# KiCad board SparkFun_GNSS_ZED-X20P_panelized.kicad_pcb (continued)
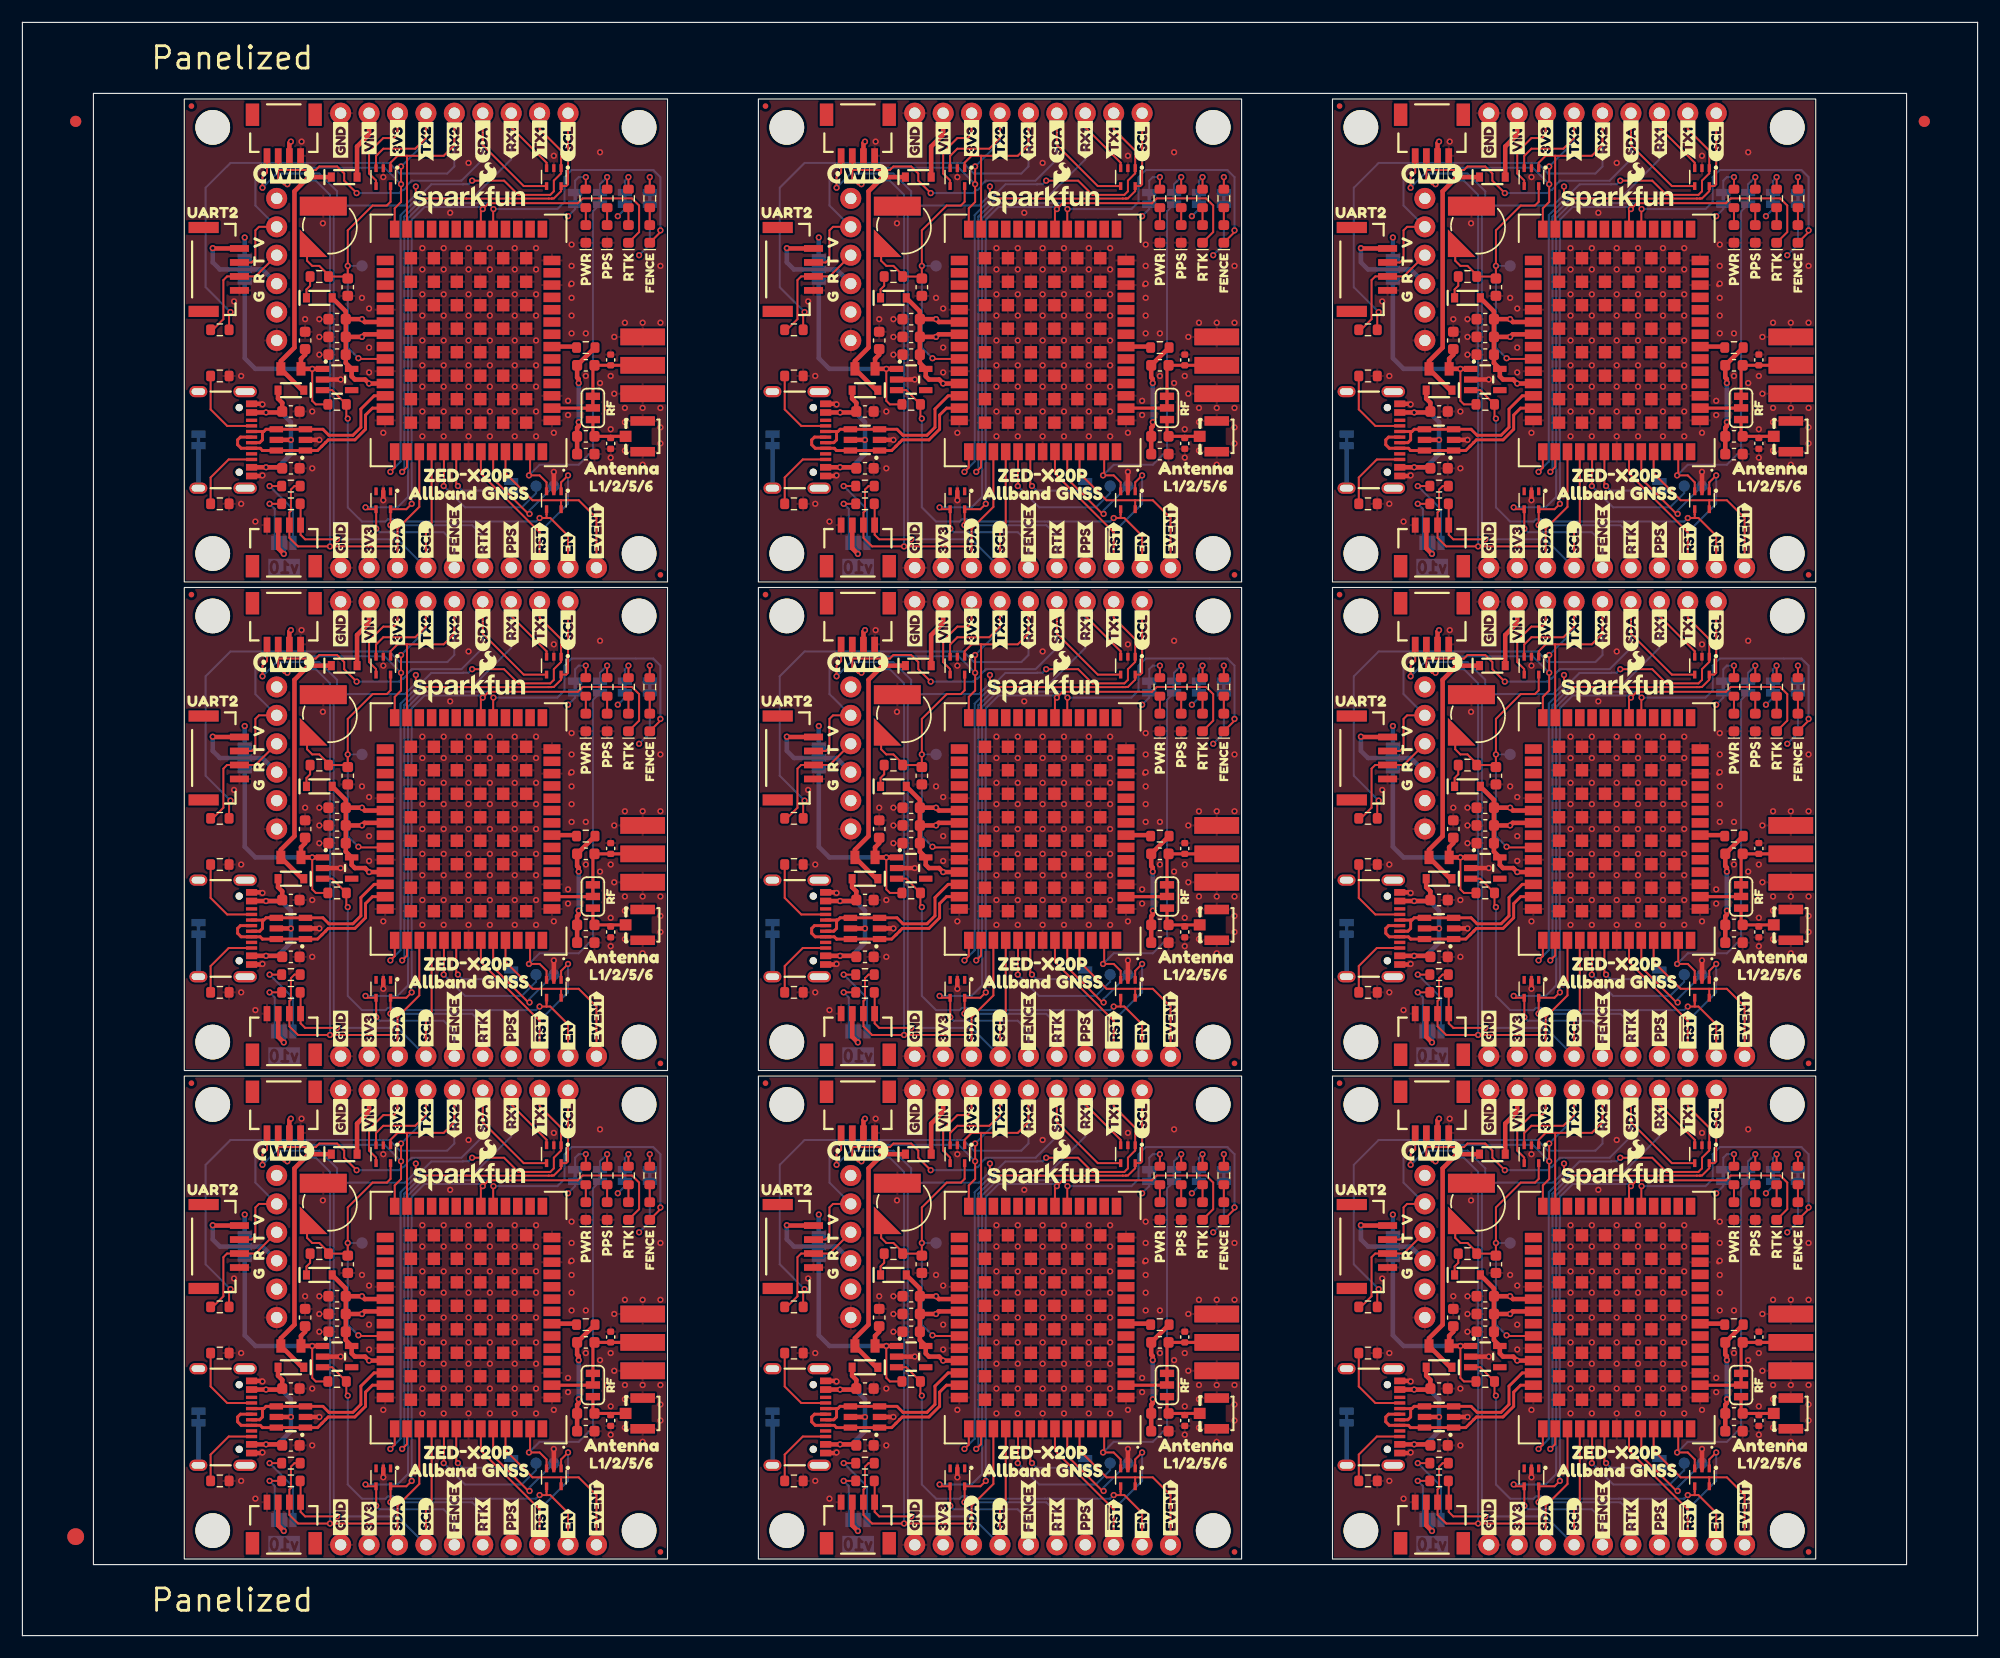
[diagram p0: board, top side]
## Routing (per net, layer and track width the routed paths; a pad name or vN(x,y) marks a point on that pad's centre or on a via; arc(x,y) is an arc through that point) (continued)
PPS: length 383.6
  Top w0.178: D12#2.3 46.84,15.76 46.22,16.38 v1(45.27,16.38) 45.37,16.48 U5.53 ; U5#9.53 147.97,16.48 v1(147.87,16.38) 148.82,16.38 149.44,15.76 D12#6.3 ; U5#2.53 45.37,103.84 v1(45.27,103.73) 46.22,103.73 46.84,103.12 D12#3.3 ; U5#7.53 147.97,60.16 v1(147.87,60.06) 148.82,60.06 149.44,59.44 D12#5.3 ; D12#8.3 149.44,103.12 148.82,103.73 v1(147.87,103.73) 147.97,103.84 U5#6.53 ; D12#7.3 98.14,15.76 97.52,16.38 v1(96.57,16.38) 96.67,16.48 U5#5.53 ; D12.3 98.14,103.12 97.52,103.73 v1(96.57,103.73) 96.67,103.84 U5#8.53 ; U5#3.53 96.67,60.16 v1(96.57,60.06) 97.52,60.06 98.14,59.44 D12#9.3 ; U5#4.53 45.37,60.16 v1(45.27,60.06) 46.22,60.06 46.84,59.44 D12#4.3
  L3.Cu w0.178: v1(45.27,16.38) 43.68,14.79 J11#4.3 ; v1(96.57,60.06) 94.98,58.47 94.98,51.8 ; J11#7.3 43.68,102.15 v1(45.27,103.73) ; 94.98,8.12 94.98,14.79 v1(96.57,16.38) ; v1(147.87,60.06) 146.28,58.47 J11#3.3 ; v1(96.57,103.73) 94.98,102.15 94.98,95.48 ; J11.3 146.28,14.79 v1(147.87,16.38) ; v1(45.27,60.06) 43.68,58.47 J11#5.3 ; J11#2.3 146.28,102.15 v1(147.87,103.73)
  Bottom w0.178: v1(147.87,103.73) 148.82,104.69 152.31,104.69 153.58,105.96 153.58,127.34 JP3#6.2 ; JP3#7.2 153.58,83.66 153.58,62.28 152.31,61.01 148.82,61.01 v1(147.87,60.06) ; v1(147.87,16.38) 148.82,17.33 152.31,17.33 153.58,18.6 153.58,39.98 JP3#2.2 ; v1(45.27,103.73) 46.22,104.69 49.71,104.69 50.98,105.96 50.98,127.34 JP3#9.2 ; JP3.2 50.98,39.98 50.98,18.6 49.71,17.33 46.22,17.33 v1(45.27,16.38) ; JP3#4.2 102.28,39.98 102.28,18.6 101.01,17.33 97.52,17.33 v1(96.57,16.38) ; v1(45.27,60.06) 46.22,61.01 49.71,61.01 50.98,62.28 50.98,83.66 JP3#3.2 ; v1(96.57,103.73) 97.52,104.69 101.01,104.69 102.28,105.96 102.28,127.34 JP3#8.2 ; JP3#5.2 102.28,83.66 102.28,62.28 101.01,61.01 97.52,61.01 v1(96.57,60.06)
RF_IN: length 33
  Top w0.282: JP1.2 50.97,22.39 U5.2 ; JP1#6.2 102.27,22.39 U5#5.2 ; JP1#2.2 50.97,109.75 U5#2.2 ; JP1#3.2 153.57,109.75 U5#6.2 ; JP1#7.2 50.97,66.07 47.32,66.07 ; 149.92,66.07 153.57,66.07 JP1#5.2 ; 98.62,66.07 102.27,66.07 JP1#9.2 ; U5#9.2 153.57,22.39 JP1#4.2 ; U5#8.2 102.27,109.75 JP1#8.2
RTK_STAT: length 607.9
  Top w0.178: 40.97,82.07 40.97,83.7 41.66,84.39 49.64,84.39 50.07,84.82 54.47,84.82 55.11,84.19 55.11,81.81 D2#8.1 ; v1(32.88,55.61) 32.9,55.62 D13#3.5 34.31,57.03 v1(34.79,57.52) ; v1(135.48,11.93) 135.5,11.95 135.5,13.35 136.91,13.35 v1(137.39,13.84) ; v1(34.79,101.2) 34.31,100.71 D13.5 32.9,99.31 v1(32.88,99.29) ; U5#5.20 92.27,40.02 92.96,40.71 100.94,40.71 101.37,41.14 105.78,41.14 106.41,40.51 106.41,38.13 D2#3.1 ; v1(137.39,57.52) 136.91,57.03 135.5,57.03 135.5,55.62 v1(135.48,55.61) ; v1(86.09,13.84) 85.61,13.35 D13#4.5 84.2,11.95 v1(84.19,11.93) ; U5#2.20 40.97,127.38 41.66,128.07 49.64,128.07 50.07,128.5 54.47,128.5 55.11,127.87 55.11,125.49 D2#6.1 ; v1(84.19,55.61) 84.2,55.62 D13#2.5 85.61,57.03 v1(86.09,57.52) ; D2.1 55.11,38.13 55.11,40.51 54.47,41.14 50.07,41.14 49.64,40.71 41.66,40.71 40.97,40.02 U5.20 ; D2#9.1 106.41,81.81 106.41,84.19 105.78,84.82 101.37,84.82 100.94,84.39 92.96,84.39 92.27,83.7 92.27,82.07 ; v1(32.88,11.93) 32.9,11.95 D13#9.5 34.31,13.35 v1(34.79,13.84) ; v1(86.09,101.2) 85.61,100.71 D13#5.5 84.2,99.31 v1(84.19,99.29) ; D2#7.1 157.71,81.81 157.71,84.19 157.08,84.82 152.67,84.82 152.24,84.39 144.26,84.39 143.57,83.7 143.57,82.07 ; D2#2.1 157.71,125.49 157.71,127.87 157.08,128.5 152.67,128.5 152.24,128.07 144.26,128.07 143.57,127.38 U5#6.20 ; D2#4.1 106.41,125.49 106.41,127.87 105.78,128.5 101.37,128.5 100.94,128.07 92.96,128.07 92.27,127.38 U5#8.20 ; U5#9.20 143.57,40.02 144.26,40.71 152.24,40.71 152.67,41.14 157.08,41.14 157.71,40.51 157.71,38.13 D2#5.1 ; v1(135.48,99.29) 135.5,99.31 135.5,100.71 136.91,100.71 v1(137.39,101.2)
  Bottom w0.178: v1(137.39,13.84) 137.39,39.23 138.53,40.38 143.55,40.38 v1(143.74,40.19) ; v1(41.14,127.55) 40.95,127.74 35.93,127.74 34.79,126.59 v1(34.79,101.2) ; v1(135.48,11.93) 135.5,11.92 142.8,11.92 143.74,10.98 143.74,8.12 ; J11#4.2 41.14,10.98 40.2,11.92 32.9,11.92 v1(32.88,11.93) ; v1(143.74,127.55) 143.55,127.74 138.53,127.74 137.39,126.59 v1(137.39,101.2) ; J11#9.2 92.44,98.34 91.5,99.28 84.2,99.28 v1(84.19,99.29) ; v1(32.88,55.61) 32.9,55.6 40.2,55.6 41.14,54.66 J11#5.2 ; v1(143.74,83.87) 143.55,84.06 138.53,84.06 137.39,82.92 v1(137.39,57.52) ; v1(92.44,127.55) 92.25,127.74 87.23,127.74 86.09,126.59 v1(86.09,101.2) ; v1(86.09,57.52) 86.09,82.92 87.23,84.06 92.25,84.06 v1(92.44,83.87) ; J11#6.2 92.44,10.98 91.5,11.92 84.2,11.92 v1(84.19,11.93) ; v1(34.79,57.52) 34.79,82.92 35.93,84.06 40.95,84.06 v1(41.14,83.87) ; v1(135.48,55.61) 135.5,55.6 142.8,55.6 143.74,54.66 143.74,51.8 ; v1(41.14,40.19) 40.95,40.38 35.93,40.38 34.79,39.23 v1(34.79,13.84) ; J11#8.2 92.44,54.66 91.5,55.6 84.2,55.6 v1(84.19,55.61) ; v1(92.44,40.19) 92.25,40.38 87.23,40.38 86.09,39.23 v1(86.09,13.84) ; 143.74,95.48 143.74,98.34 142.8,99.28 135.5,99.28 v1(135.48,99.29) ; J11#7.2 41.14,98.34 40.2,99.28 32.9,99.28 v1(32.88,99.29)
RX1/PICO: length 422.1
  Top w0.178: J3#5.3 43.68,134.85 46.84,131.69 D10#4.3 ; v1(136.54,104.05) 136.97,104.49 U5#6.43 ; v1(85.24,16.69) 85.67,17.13 U5#5.43 ; D10#7.3 149.44,88.01 146.28,91.17 J3#7.3 ; v1(136.54,16.69) 136.97,17.13 U5#9.43 ; J3#8.3 146.28,47.49 149.44,44.33 D10#6.3 ; v1(33.94,104.05) 34.37,104.49 U5#2.43 ; U5#3.43 85.67,60.81 v1(85.24,60.37) ; v1(33.94,16.69) 34.37,17.13 U5.43 ; J3#6.3 94.98,134.85 98.14,131.69 D10#8.3 ; J3.3 43.68,47.49 46.84,44.33 D10.3 ; U5#7.43 136.97,60.81 v1(136.54,60.37) ; D10#2.3 46.84,88.01 43.68,91.17 J3#3.3 ; U5#8.43 85.67,104.49 v1(85.24,104.05) ; U5#4.43 34.37,60.81 v1(33.94,60.37) ; J3#2.3 94.98,91.17 98.14,88.01 D10#3.3 ; D10#9.3 149.44,131.69 146.28,134.85 J3#9.3 ; D10#5.3 98.14,44.33 94.98,47.49 J3#4.3
  Bottom w0.178: J3#9.3 146.28,131.99 142.79,128.5 138.36,128.5 136.73,126.87 136.73,104.24 v1(136.54,104.05) ; J3#5.3 43.68,131.99 40.19,128.5 35.76,128.5 34.13,126.87 34.13,104.24 v1(33.94,104.05) ; v1(136.54,16.69) 136.73,16.88 136.73,39.23 136.73,39.51 138.36,41.14 142.79,41.14 146.28,44.63 J3#8.3 ; v1(33.94,16.69) 34.13,16.88 34.13,39.23 34.13,39.51 35.76,41.14 40.19,41.14 43.68,44.63 J3.3 ; J3#3.3 43.68,88.31 40.19,84.82 35.76,84.82 34.13,83.19 34.13,60.56 v1(33.94,60.37) ; J3#2.3 94.98,88.31 91.49,84.82 87.06,84.82 85.43,83.19 85.43,60.56 v1(85.24,60.37) ; v1(85.24,104.05) 85.43,104.24 85.43,126.59 85.43,126.87 87.06,128.5 91.49,128.5 94.98,131.99 J3#6.3 ; J3#4.3 94.98,44.63 91.49,41.14 87.06,41.14 85.43,39.51 85.43,16.88 v1(85.24,16.69) ; J3#7.3 146.28,88.31 142.79,84.82 138.36,84.82 136.73,83.19 136.73,60.56 v1(136.54,60.37)
RX2: length 526.5
  Top w0.178: 136.97,132.31 136.97,132.31 U5#6.26 ; 136.97,132.31 136.12,132.31 135.5,131.69 135.5,131.21 ; 136.97,132.31 140.25,132.31 141.2,133.26 J3#9.5 ; J3.5 38.6,45.9 37.65,44.95 34.37,44.95 ; 85.67,44.95 88.95,44.95 89.9,45.9 J3#4.5 ; 85.67,44.95 85.67,44.95 U5#5.26 ; 85.67,44.95 84.82,44.95 84.2,44.33 D8#5.1 ; R8#9.2 18.47,30.85 v1(18.6,30.98) ; R8#2.2 18.47,74.53 v1(18.6,74.66) ; v1(69.9,30.98) 69.77,30.85 69.77,29.39 ; J3#3.5 38.6,89.58 37.65,88.63 34.37,88.63 ; J3#8.5 141.2,45.9 140.25,44.95 136.97,44.95 ; 85.67,88.63 88.95,88.63 89.9,89.58 J3#2.5 ; 85.67,88.63 84.82,88.63 84.2,88.01 D8#3.1 ; 85.67,88.63 85.67,88.63 85.67,82.07 ; U5#9.26 136.97,44.95 136.97,44.95 ; v1(121.2,74.66) 121.07,74.53 R8#3.2 ; D8#4.1 32.9,88.01 33.52,88.63 34.37,88.63 ; 135.5,87.53 135.5,88.01 136.12,88.63 136.97,88.63 ; 34.37,132.31 34.37,132.31 U5#2.26 ; 34.37,132.31 33.52,132.31 32.9,131.69 D8#2.1 ; 34.37,132.31 37.65,132.31 38.6,133.26 J3#5.5 ; J3#7.5 141.2,89.58 140.25,88.63 136.97,88.63 ; v1(69.9,74.66) 69.77,74.53 69.77,73.07 ; 69.77,116.75 69.77,118.21 v1(69.9,118.34) ; U5#8.26 85.67,132.31 85.67,132.31 ; 34.37,44.95 33.52,44.95 32.9,44.33 D8.1 ; 34.37,44.95 34.37,44.95 U5.26 ; 136.97,88.63 136.97,88.63 136.97,82.07 ; 136.97,44.95 136.12,44.95 135.5,44.33 135.5,43.84 ; 34.37,88.63 34.37,88.63 34.37,82.07 ; v1(18.6,118.34) 18.47,118.21 R8.2 ; 85.67,132.31 88.95,132.31 89.9,133.26 J3#6.5 ; 85.67,132.31 84.82,132.31 84.2,131.69 D8#7.1 ; v1(121.2,30.98) 121.07,30.85 R8#6.2 ; v1(121.2,118.34) 121.07,118.21 R8#7.2
  Bottom w0.178: v1(18.6,74.66) 16.38,76.88 16.38,85.77 18.6,88 32.78,88 33.73,87.04 37.97,87.04 38.6,87.68 J3#3.5 ; v1(121.2,30.98) 118.97,33.2 118.97,42.09 121.2,44.31 135.38,44.31 136.33,43.36 140.57,43.36 141.2,44 J3#8.5 ; J3#4.5 89.9,44 89.27,43.36 85.03,43.36 84.08,44.31 69.9,44.31 67.68,42.09 67.68,33.2 v1(69.9,30.98) ; v1(18.6,30.98) 16.38,33.2 16.38,42.09 18.6,44.31 32.78,44.31 33.73,43.36 37.97,43.36 38.6,44 J3.5 ; v1(121.2,74.66) 118.97,76.88 118.97,85.77 121.2,88 135.38,88 136.33,87.04 140.57,87.04 141.2,87.68 J3#7.5 ; J3#2.5 89.9,87.68 89.27,87.04 85.03,87.04 84.08,88 69.9,88 67.68,85.77 67.68,76.88 v1(69.9,74.66) ; J3#5.5 38.6,131.36 37.97,130.72 33.73,130.72 32.78,131.68 18.6,131.68 16.38,129.45 16.38,120.56 v1(18.6,118.34) ; v1(121.2,118.34) 118.97,120.56 118.97,129.45 121.2,131.68 135.38,131.68 136.33,130.72 140.57,130.72 141.2,131.36 J3#9.5 ; J3#6.5 89.9,131.36 89.27,130.72 85.03,130.72 84.08,131.68 69.9,131.68 67.68,129.45 67.68,120.56 v1(69.9,118.34)
SCL/SCK: length 880.8
  Top w0.178: R12#3.2 127.46,101.16 J4#9.4 127.46,98.43 127.87,98.02 v1(130.72,98.02) ; J9#8.4 138.66,98.97 139.17,99.48 U5#6.45 ; J7#2.4 73.16,43.45 72.75,43.05 v1(72.75,42.09) ; J3#9.1 151.36,129.77 151.2,129.6 D10#9.5 150.74,129.15 150.09,128.5 149.92,128.5 149.91,128.49 142.02,128.49 142,128.5 138.03,128.5 137.76,128.77 v1(137.76,129.57) ; J7#4.4 21.86,87.13 21.46,86.72 v1(21.46,85.77) ; v1(124.06,129.45) 124.06,130.41 124.46,130.81 J7#9.4 ; R12#4.2 76.16,13.8 J4#7.4 76.16,11.06 76.56,10.66 v1(79.42,10.66) ; v1(130.72,54.34) 127.87,54.34 127.46,54.75 J4#2.4 127.46,57.48 R12#7.2 ; v1(21.46,129.45) 21.46,130.41 21.86,130.81 J7#5.4 ; J7#7.4 124.46,43.45 124.06,43.05 v1(124.06,42.09) ; J3#5.1 48.76,129.77 48.59,129.6 D10#4.5 48.14,129.15 47.49,128.5 47.32,128.5 47.31,128.49 39.42,128.49 39.4,128.5 35.43,128.5 35.16,128.77 v1(35.16,129.57) ; v1(137.76,85.89) 137.76,85.09 138.03,84.82 142,84.82 142.02,84.81 149.91,84.81 149.92,84.82 150.09,84.82 150.74,85.47 D10#7.5 151.2,85.93 151.36,86.09 J3#7.1 ; U5#5.45 87.87,12.12 87.36,11.61 J9#4.4 ; J7#3.4 73.16,130.81 72.75,130.41 v1(72.75,129.45) ; v1(21.46,42.09) 21.46,43.05 21.86,43.45 J7.4 ; R12#2.2 76.16,101.16 J4#3.4 76.16,98.43 76.56,98.02 v1(79.42,98.02) ; v1(72.75,85.77) 72.75,86.72 73.16,87.13 J7#6.4 ; J9#7.4 87.36,55.29 87.87,55.8 U5#3.45 ; R12#6.2 24.86,101.16 J4#5.4 24.86,98.43 25.27,98.02 v1(28.12,98.02) ; J9#3.4 36.06,98.97 36.57,99.48 U5#2.45 ; J9#6.4 138.66,11.61 139.17,12.12 U5#9.45 ; J9#2.4 87.36,98.97 87.87,99.48 U5#8.45 ; J3.1 48.76,42.41 48.59,42.25 D10.5 48.14,41.79 47.49,41.14 47.32,41.14 47.31,41.13 39.42,41.13 39.4,41.14 35.43,41.14 35.16,41.41 v1(35.16,42.21) ; J3#4.1 100.06,42.41 99.9,42.25 D10#5.5 99.44,41.79 98.79,41.14 98.62,41.14 98.61,41.13 90.72,41.13 90.7,41.14 86.72,41.14 86.46,41.41 v1(86.46,42.21) ; v1(86.46,85.89) 86.46,85.09 86.72,84.82 90.7,84.82 90.72,84.81 98.61,84.81 98.62,84.82 98.79,84.82 99.44,85.47 D10#3.5 99.9,85.93 100.06,86.09 J3#2.1 ; J3#3.1 48.76,86.09 48.59,85.93 D10#2.5 48.14,85.47 47.49,84.82 47.32,84.82 47.31,84.81 39.42,84.81 39.4,84.82 35.43,84.82 35.16,85.09 v1(35.16,85.89) ; v1(124.06,85.77) 124.06,86.72 124.46,87.13 J7#8.4 ; J9.4 36.06,55.29 36.57,55.8 U5#4.45 ; J3#6.1 100.06,129.77 99.9,129.6 D10#8.5 99.44,129.15 98.79,128.5 98.62,128.5 98.61,128.49 90.72,128.49 90.7,128.5 86.72,128.5 86.46,128.77 v1(86.46,129.57) ; v1(79.42,54.34) 76.56,54.34 76.16,54.75 J4#6.4 76.16,57.48 R12#8.2 ; U5#7.45 139.17,55.8 138.66,55.29 J9#5.4 ; v1(28.12,10.66) 25.27,10.66 24.86,11.06 J4.4 24.86,13.8 R12.2 ; R12#5.2 24.86,57.48 J4#4.4 24.86,54.75 25.27,54.34 v1(28.12,54.34) ; J9#9.4 36.06,11.61 36.57,12.12 U5.45 ; v1(137.76,42.21) 137.76,41.41 138.03,41.14 142,41.14 142.02,41.13 149.91,41.13 149.92,41.14 150.09,41.14 150.74,41.79 D10#6.5 151.2,42.25 151.36,42.41 J3#8.1 ; R12#9.2 127.46,13.8 J4#8.4 127.46,11.06 127.87,10.66 v1(130.72,10.66)
  Bottom w0.178: v1(72.75,42.09) 74.03,43.36 77.84,43.36 79.42,41.78 79.42,40.51 ; v1(21.46,42.09) 22.72,43.36 26.53,43.36 28.12,41.78 28.12,40.51 ; v1(72.75,129.45) 74.03,130.72 77.84,130.72 79.42,129.13 79.42,127.87 ; 28.12,40.51 27.82,40.2 27.82,10.96 v1(28.12,10.66) 33.52,10.66 J9#9.4 ; 28.12,40.51 34.19,40.51 35.11,41.43 35.11,41.46 35.16,41.51 v1(35.16,42.21) ; v1(137.76,129.57) 137.76,128.87 137.71,128.82 137.71,128.79 136.79,127.87 130.72,127.87 ; 130.72,84.19 136.79,84.19 137.71,85.11 137.71,85.14 137.76,85.19 v1(137.76,85.89) ; 130.72,84.19 130.42,83.88 130.42,54.64 v1(130.72,54.34) 136.12,54.34 J9#5.4 ; 130.72,84.19 130.72,85.46 129.13,87.04 125.33,87.04 v1(124.06,85.77) ; 130.72,40.51 136.79,40.51 137.71,41.43 137.71,41.46 137.76,41.51 v1(137.76,42.21) ; 130.72,40.51 130.42,40.2 130.42,10.96 v1(130.72,10.66) 136.12,10.66 J9#6.4 ; 130.72,40.51 130.72,41.78 129.13,43.36 125.33,43.36 v1(124.06,42.09) ; v1(21.46,85.77) 22.72,87.04 26.53,87.04 28.12,85.46 28.12,84.19 ; 28.12,127.87 27.82,127.56 27.82,98.32 v1(28.12,98.02) 33.52,98.02 J9#3.4 ; 28.12,127.87 34.19,127.87 35.11,128.79 35.11,128.82 35.16,128.87 v1(35.16,129.57) ; 28.12,127.87 28.12,129.13 26.53,130.72 22.72,130.72 v1(21.46,129.45) ; v1(86.46,42.21) 86.46,41.51 86.41,41.46 86.41,41.43 85.49,40.51 79.42,40.51 ; v1(72.75,85.77) 74.03,87.04 77.84,87.04 79.42,85.46 79.42,84.19 ; 28.12,84.19 34.19,84.19 35.11,85.11 35.11,85.14 35.16,85.19 v1(35.16,85.89) ; 28.12,84.19 27.82,83.88 27.82,54.64 v1(28.12,54.34) 33.52,54.34 J9.4 ; 79.42,127.87 85.49,127.87 86.41,128.79 86.41,128.82 86.46,128.87 v1(86.46,129.57) ; 79.42,127.87 79.12,127.56 79.12,98.32 v1(79.42,98.02) 84.82,98.02 J9#2.4 ; 79.42,84.19 85.49,84.19 86.41,85.11 86.41,85.14 86.46,85.19 v1(86.46,85.89) ; 79.42,84.19 79.12,83.88 79.12,54.64 v1(79.42,54.34) 84.82,54.34 J9#7.4 ; 130.72,127.87 130.72,129.13 129.13,130.72 125.33,130.72 v1(124.06,129.45) ; 130.72,127.87 130.42,127.56 130.42,98.32 v1(130.72,98.02) 136.12,98.02 J9#8.4 ; 79.42,40.51 79.12,40.2 79.12,10.96 v1(79.42,10.66) 84.82,10.66 J9#4.4
SDA/~{CS}: length 906.5
  Top w0.178: 125.46,43.68 125.46,42.91 125.96,42.41 v1(126.28,42.41) ; 125.46,43.68 128.82,43.68 129.13,44 130.72,44 131.36,43.36 131.36,42.73 v1(132.47,41.62) ; 125.46,43.68 J7#7.3 ; D10#8.4 96.1,129.6 92.44,133.26 J3#6.4 ; J7#6.3 74.16,87.36 ; 74.16,87.36 74.16,86.59 74.66,86.09 v1(74.98,86.09) ; 74.16,87.36 77.52,87.36 77.84,87.68 79.42,87.68 80.06,87.04 80.06,86.41 v1(81.17,85.3) ; D10#4.4 44.8,129.6 41.14,133.26 J3#5.4 ; v1(126.28,86.09) 125.96,86.09 125.46,86.59 125.46,87.36 ; 84.82,97.39 75.93,97.39 75.16,98.16 J4#3.3 75.16,100.43 75.3,100.56 75.3,102.47 75.61,102.78 R13#9.2 ; 84.82,97.39 84.82,95.48 ; 84.82,97.39 84.82,98.97 86.77,100.92 U5#8.44 ; 74.16,43.68 77.52,43.68 77.84,44 79.42,44 80.06,43.36 80.06,42.73 v1(81.17,41.62) ; 74.16,43.68 74.16,42.91 74.66,42.41 v1(74.98,42.41) ; 74.16,43.68 J7#2.3 ; J7#3.3 74.16,131.04 ; 74.16,131.04 74.16,130.27 74.66,129.77 v1(74.98,129.77) ; 74.16,131.04 77.52,131.04 77.84,131.36 79.42,131.36 80.06,130.72 80.06,130.09 v1(81.17,128.98) ; 136.12,10.03 127.23,10.03 126.46,10.8 J4#8.3 126.46,13.06 126.59,13.2 126.59,15.11 126.91,15.42 R13#4.2 ; 136.12,10.03 136.12,11.61 138.07,13.56 U5#9.44 ; 136.12,10.03 J9#6.3 ; 125.46,87.36 J7#8.3 ; 125.46,87.36 128.82,87.36 129.13,87.68 130.72,87.68 131.36,87.04 131.36,86.41 v1(132.47,85.3) ; J7.3 22.86,43.68 ; 22.86,43.68 26.22,43.68 26.53,44 28.12,44 28.76,43.36 28.76,42.73 v1(29.87,41.62) ; 22.86,43.68 22.86,42.91 23.36,42.41 v1(23.68,42.41) ; U5#2.44 35.47,100.92 33.52,98.97 33.52,97.39 ; J3#4.4 92.44,45.9 96.1,42.25 D10#5.4 ; J3#7.4 143.74,89.58 147.4,85.93 D10#7.4 ; v1(29.87,85.3) 28.76,86.41 28.76,87.04 28.12,87.68 26.53,87.68 26.22,87.36 22.86,87.36 ; J3#9.4 143.74,133.26 147.4,129.6 D10#9.4 ; v1(132.47,128.98) 131.36,130.09 131.36,130.72 130.72,131.36 129.13,131.36 128.82,131.04 125.46,131.04 ; 33.52,53.7 33.52,55.29 35.47,57.24 U5#4.44 ; 33.52,53.7 24.63,53.7 23.86,54.48 J4#4.3 23.86,56.75 24,56.88 24,58.78 24.31,59.1 R13.2 ; 33.52,53.7 J9.3 ; v1(126.28,129.77) 125.96,129.77 125.46,130.27 125.46,131.04 ; 33.52,10.03 24.63,10.03 23.86,10.8 J4.3 23.86,13.06 24,13.2 24,15.11 24.31,15.42 R13#2.2 ; 33.52,10.03 J9#9.3 ; 33.52,10.03 33.52,11.61 35.47,13.56 U5.44 ; R13#8.2 75.61,15.42 75.3,15.11 75.3,13.2 75.16,13.06 J4#7.3 75.16,10.8 75.93,10.03 84.82,10.03 ; J3#8.4 143.74,45.9 147.4,42.25 D10#6.4 ; J7#4.3 22.86,87.36 ; 22.86,87.36 22.86,86.59 23.36,86.09 v1(23.68,86.09) ; 84.82,10.03 84.82,8.12 ; 84.82,10.03 84.82,11.61 86.77,13.56 U5#5.44 ; R13#3.2 24.31,102.78 24,102.47 24,100.56 23.86,100.43 J4#5.3 23.86,98.16 24.63,97.39 33.52,97.39 ; J3#3.4 41.14,89.58 44.8,85.93 D10#2.4 ; 84.82,53.7 84.82,55.29 86.77,57.24 U5#3.44 ; 84.82,53.7 75.93,53.7 75.16,54.48 J4#6.3 75.16,56.75 75.3,56.88 75.3,58.78 75.61,59.1 R13#5.2 ; 84.82,53.7 84.82,51.8 ; 136.12,53.7 136.12,55.29 138.07,57.24 U5#7.44 ; 136.12,53.7 J9#5.3 ; 136.12,53.7 127.23,53.7 126.46,54.48 J4#2.3 126.46,56.75 126.59,56.88 126.59,58.78 126.91,59.1 R13#7.2 ; J3.4 41.14,45.9 44.8,42.25 D10.4 ; v1(29.87,128.98) 28.76,130.09 28.76,130.72 28.12,131.36 26.53,131.36 26.22,131.04 22.86,131.04 ; 136.12,97.39 J9#8.3 ; 136.12,97.39 127.23,97.39 126.46,98.16 J4#9.3 126.46,100.43 126.59,100.56 126.59,102.47 126.91,102.78 R13#6.2 ; 136.12,97.39 136.12,98.97 138.07,100.92 U5#6.44 ; 22.86,131.04 22.86,130.27 23.36,129.77 v1(23.68,129.77) ; 22.86,131.04 J7#5.3 ; 125.46,131.04 J7#9.3 ; 33.52,97.39 J9#3.3 ; D10#3.4 96.1,85.93 92.44,89.58 J3#2.4
  Bottom w0.178: v1(74.98,86.09) 75.29,86.41 77.52,86.41 78.79,85.14 v1(78.79,53.7) ; J3#8.4 143.74,44.63 141.84,42.73 137.39,42.73 136.96,42.3 136.96,42.19 136.65,41.89 136.55,41.89 136.28,41.62 v1(132.47,41.62) ; v1(132.47,85.3) 136.28,85.3 136.55,85.57 136.65,85.57 136.96,85.87 136.96,85.98 137.39,86.41 141.84,86.41 143.74,88.31 J3#7.4 ; v1(27.49,97.39) 27.49,128.82 26.22,130.09 23.99,130.09 v1(23.68,129.77) ; v1(126.28,42.41) 126.59,42.73 128.82,42.73 130.09,41.46 v1(130.09,10.03) ; J3#2.4 92.44,88.31 90.53,86.41 86.09,86.41 85.66,85.98 85.66,85.87 85.35,85.57 85.25,85.57 84.98,85.3 v1(81.17,85.3) ; J3#6.4 92.44,131.99 90.53,130.09 86.09,130.09 85.66,129.66 85.66,129.55 85.35,129.25 85.25,129.25 84.98,128.98 v1(81.17,128.98) ; v1(126.28,129.77) 126.59,130.09 128.82,130.09 130.09,128.82 v1(130.09,97.39) ; v1(23.68,86.09) 23.99,86.41 26.22,86.41 27.49,85.14 v1(27.49,53.7) ; v1(27.49,10.03) 27.49,41.46 26.22,42.73 23.99,42.73 v1(23.68,42.41) ; v1(78.79,97.39) 78.79,128.82 77.52,130.09 75.29,130.09 v1(74.98,129.77) ; J3#3.4 41.14,88.31 39.24,86.41 34.79,86.41 34.36,85.98 34.36,85.87 34.05,85.57 33.95,85.57 33.68,85.3 v1(29.87,85.3) ; v1(81.17,41.62) 84.98,41.62 85.25,41.89 85.35,41.89 85.66,42.19 85.66,42.3 86.09,42.73 90.53,42.73 92.44,44.63 J3#4.4 ; v1(78.79,10.03) 78.79,41.46 77.52,42.73 75.29,42.73 v1(74.98,42.41) ; v1(126.28,86.09) 126.59,86.41 128.82,86.41 130.09,85.14 v1(130.09,53.7) ; v1(29.87,41.62) 33.68,41.62 33.95,41.89 34.05,41.89 34.36,42.19 34.36,42.3 34.79,42.73 39.24,42.73 41.14,44.63 J3.4 ; J3#5.4 41.14,131.99 39.24,130.09 34.79,130.09 34.36,129.66 34.36,129.55 34.05,129.25 33.95,129.25 33.68,128.98 v1(29.87,128.98) ; v1(132.47,128.98) 136.28,128.98 136.55,129.25 136.65,129.25 136.96,129.55 136.96,129.66 137.39,130.09 141.84,130.09 143.74,131.99 J3#9.4
TX1/POCI: length 440.7
  Top w0.178: v1(135.48,16.69) 135.87,17.08 U5#9.42 ; v1(135.48,60.37) 135.87,60.76 U5#7.42 ; v1(142.79,130.09) 145.65,130.09 146.91,128.82 149.77,128.82 150.09,129.13 150.09,130.09 150.74,130.74 D10#9.1 150.74,132.77 148.82,134.69 J3#9.2 ; J3#5.2 46.22,134.69 48.14,132.77 D10#4.1 48.14,130.74 47.49,130.09 47.49,129.13 47.17,128.82 44.31,128.82 43.05,130.09 v1(40.19,130.09) ; J3#7.2 148.82,91.01 150.74,89.09 D10#7.1 150.74,87.06 150.09,86.41 150.09,85.46 149.77,85.14 146.91,85.14 145.65,86.41 v1(142.79,86.41) ; U5#6.42 135.87,104.44 v1(135.48,104.05) ; J3#2.2 97.52,91.01 99.44,89.09 D10#3.1 99.44,87.06 98.79,86.41 98.79,85.46 98.47,85.14 95.62,85.14 94.34,86.41 v1(91.49,86.41) ; J3#6.2 97.52,134.69 99.44,132.77 D10#8.1 99.44,130.74 98.79,130.09 98.79,129.13 98.47,128.82 95.62,128.82 94.34,130.09 v1(91.49,130.09) ; v1(91.49,42.73) 94.34,42.73 95.62,41.46 98.47,41.46 98.79,41.78 98.79,42.73 99.44,43.38 D10#5.1 99.44,45.41 97.52,47.33 J3#4.2 ; v1(84.19,16.69) 84.57,17.08 U5#5.42 ; J3.2 46.22,47.33 48.14,45.41 D10.1 48.14,43.38 47.49,42.73 47.49,41.78 47.17,41.46 44.31,41.46 43.05,42.73 v1(40.19,42.73) ; v1(40.19,86.41) 43.05,86.41 44.31,85.14 47.17,85.14 47.49,85.46 47.49,86.41 48.14,87.06 D10#2.1 48.14,89.09 46.22,91.01 J3#3.2 ; U5#2.42 33.27,104.44 v1(32.88,104.05) ; v1(84.19,104.05) 84.57,104.44 U5#8.42 ; U5#4.42 33.27,60.76 v1(32.88,60.37) ; v1(32.88,16.69) 33.27,17.08 U5.42 ; v1(84.19,60.37) 84.57,60.76 U5#3.42 ; v1(142.79,42.73) 145.65,42.73 146.91,41.46 149.77,41.46 150.09,41.78 150.09,42.73 150.74,43.38 D10#6.1 150.74,45.41 148.82,47.33 J3#8.2
  Bottom w0.178: v1(142.79,42.73) 142.47,42.41 141.99,42.41 141.97,42.4 139.15,42.4 136.4,39.65 136.4,17.6 v1(135.48,16.69) ; v1(40.19,130.09) 39.87,129.77 39.39,129.77 39.37,129.76 36.55,129.76 33.8,127.01 33.8,104.96 v1(32.88,104.05) ; v1(32.88,16.69) 33.8,17.6 33.8,39.65 36.55,42.4 39.37,42.4 39.39,42.41 39.87,42.41 v1(40.19,42.73) ; v1(91.49,42.73) 91.17,42.41 90.69,42.41 90.67,42.4 87.85,42.4 85.1,39.65 85.1,17.6 v1(84.19,16.69) ; v1(135.48,104.05) 136.4,104.96 136.4,127.01 139.15,129.76 141.97,129.76 141.99,129.77 142.47,129.77 v1(142.79,130.09) ; v1(84.19,104.05) 85.1,104.96 85.1,127.01 87.85,129.76 90.67,129.76 90.69,129.77 91.17,129.77 v1(91.49,130.09) ; v1(91.49,86.41) 91.17,86.09 90.69,86.09 90.67,86.08 87.85,86.08 85.1,83.33 85.1,61.28 v1(84.19,60.37) ; v1(142.79,86.41) 142.47,86.09 141.99,86.09 141.97,86.08 139.15,86.08 136.4,83.33 136.4,61.28 v1(135.48,60.37) ; v1(40.19,86.41) 39.87,86.09 39.39,86.09 39.37,86.08 36.55,86.08 33.8,83.33 33.8,61.28 v1(32.88,60.37)
TX2: length 412.3
  Top w0.178: J2#5.2 72.44,82.28 72.12,81.96 72.12,79.42 71.79,79.09 70.38,79.09 ; U5.27 33.27,40.26 33.84,40.82 v1(33.84,42.41) v1(33.84,44) ; 33.27,82.07 33.27,83.94 33.84,84.5 v1(33.84,86.09) v1(33.84,87.68) ; J3#7.6 138.66,90.22 137.71,89.27 134.85,89.27 134.2,88.62 D8#6.3 ; U5#6.27 135.87,127.62 136.44,128.18 v1(136.44,129.77) v1(136.44,131.36) ; D8#3.3 82.9,88.62 83.55,89.27 86.41,89.27 87.36,90.22 J3#2.6 ; D8.3 31.6,44.94 32.25,45.59 35.11,45.59 36.06,46.54 J3.6 ; v1(85.14,131.36) v1(85.14,129.77) 85.14,128.18 84.57,127.62 U5#8.27 ; D8#9.3 134.2,44.94 134.85,45.59 137.71,45.59 138.66,46.54 J3#8.6 ; U5#2.27 33.27,127.62 33.84,128.18 v1(33.84,129.77) v1(33.84,131.36) ; 19.08,122.78 20.49,122.78 20.82,123.1 20.82,125.64 21.14,125.96 22.72,125.96 ; J3#5.6 36.06,133.9 35.11,132.94 32.25,132.94 31.6,132.3 D8#2.3 ; 70.38,122.78 71.79,122.78 72.12,123.1 72.12,125.64 72.44,125.96 74.03,125.96 ; U5#5.27 84.57,40.26 85.14,40.82 v1(85.14,42.41) v1(85.14,44) ; 121.68,79.09 123.09,79.09 123.42,79.42 123.42,81.96 123.74,82.28 J2#7.2 ; 74.03,38.6 72.44,38.6 72.12,38.28 72.12,35.74 71.79,35.42 70.38,35.42 ; 84.57,82.07 84.57,83.94 85.14,84.5 v1(85.14,86.09) v1(85.14,87.68) ; 125.33,38.6 123.74,38.6 123.42,38.28 123.42,35.74 123.09,35.42 121.68,35.42 ; J3#9.6 138.66,133.9 137.71,132.94 134.85,132.94 134.2,132.3 D8#8.3 ; D8#7.3 82.9,132.3 83.55,132.94 86.41,132.94 87.36,133.9 J3#6.6 ; 121.68,122.78 123.09,122.78 123.42,123.1 123.42,125.64 123.74,125.96 125.33,125.96 ; D8#4.3 31.6,88.62 32.25,89.27 35.11,89.27 36.06,90.22 J3#3.6 ; 22.72,38.6 21.14,38.6 20.82,38.28 20.82,35.74 20.49,35.42 19.08,35.42 ; v1(136.44,87.68) v1(136.44,86.09) 136.44,84.5 135.87,83.94 135.87,82.07 ; D8#5.3 82.9,44.94 83.55,45.59 86.41,45.59 87.36,46.54 J3#4.6 ; v1(136.44,44) v1(136.44,42.41) 136.44,40.82 135.87,40.26 U5#9.27 ; J2#4.2 21.14,82.28 20.82,81.96 20.82,79.42 20.49,79.09 19.08,79.09
  Bottom w0.178: J3#6.6 87.36,133.58 v1(85.14,131.36) ; v1(33.84,42.41) 32.36,43.88 21.34,43.88 20.82,43.36 20.82,40.51 22.72,38.6 ; v1(136.44,42.41) 134.96,43.88 123.94,43.88 123.42,43.36 123.42,40.51 125.33,38.6 ; J3#9.6 138.66,133.58 v1(136.44,131.36) ; v1(85.14,86.09) 83.66,87.56 72.64,87.56 72.12,87.04 72.12,84.19 J2#5.2 ; J2#4.2 20.82,84.19 20.82,87.04 21.34,87.56 32.36,87.56 v1(33.84,86.09) ; v1(136.44,86.09) 134.96,87.56 123.94,87.56 123.42,87.04 123.42,84.19 J2#7.2 ; J3#3.6 36.06,89.9 v1(33.84,87.68) ; J3.6 36.06,46.22 v1(33.84,44) ; 74.03,125.96 72.12,127.87 72.12,130.72 72.64,131.24 83.66,131.24 v1(85.14,129.77) ; v1(85.14,44) 87.36,46.22 J3#4.6 ; J3#2.6 87.36,89.9 v1(85.14,87.68) ; v1(33.84,131.36) 36.06,133.58 J3#5.6 ; 74.03,38.6 72.12,40.51 72.12,43.36 72.64,43.88 83.66,43.88 v1(85.14,42.41) ; v1(136.44,129.77) 134.96,131.24 123.94,131.24 123.42,130.72 123.42,127.87 125.33,125.96 ; v1(136.44,44) 138.66,46.22 J3#8.6 ; v1(136.44,87.68) 138.66,89.9 J3#7.6 ; 22.72,125.96 20.82,127.87 20.82,130.72 21.34,131.24 32.36,131.24 v1(33.84,129.77)